# Altium PCB esquematico_microcontrolador.PcbDoc
Units mm, origin at the board's own origin, x right, y up, seen from the top; angles counter-clockwise.
Board outline 152.4 x 101.6 mm, 2 copper layers (Top Layer, Bottom Layer); 30 components, 21 nets, 108 pads, 12 vias.
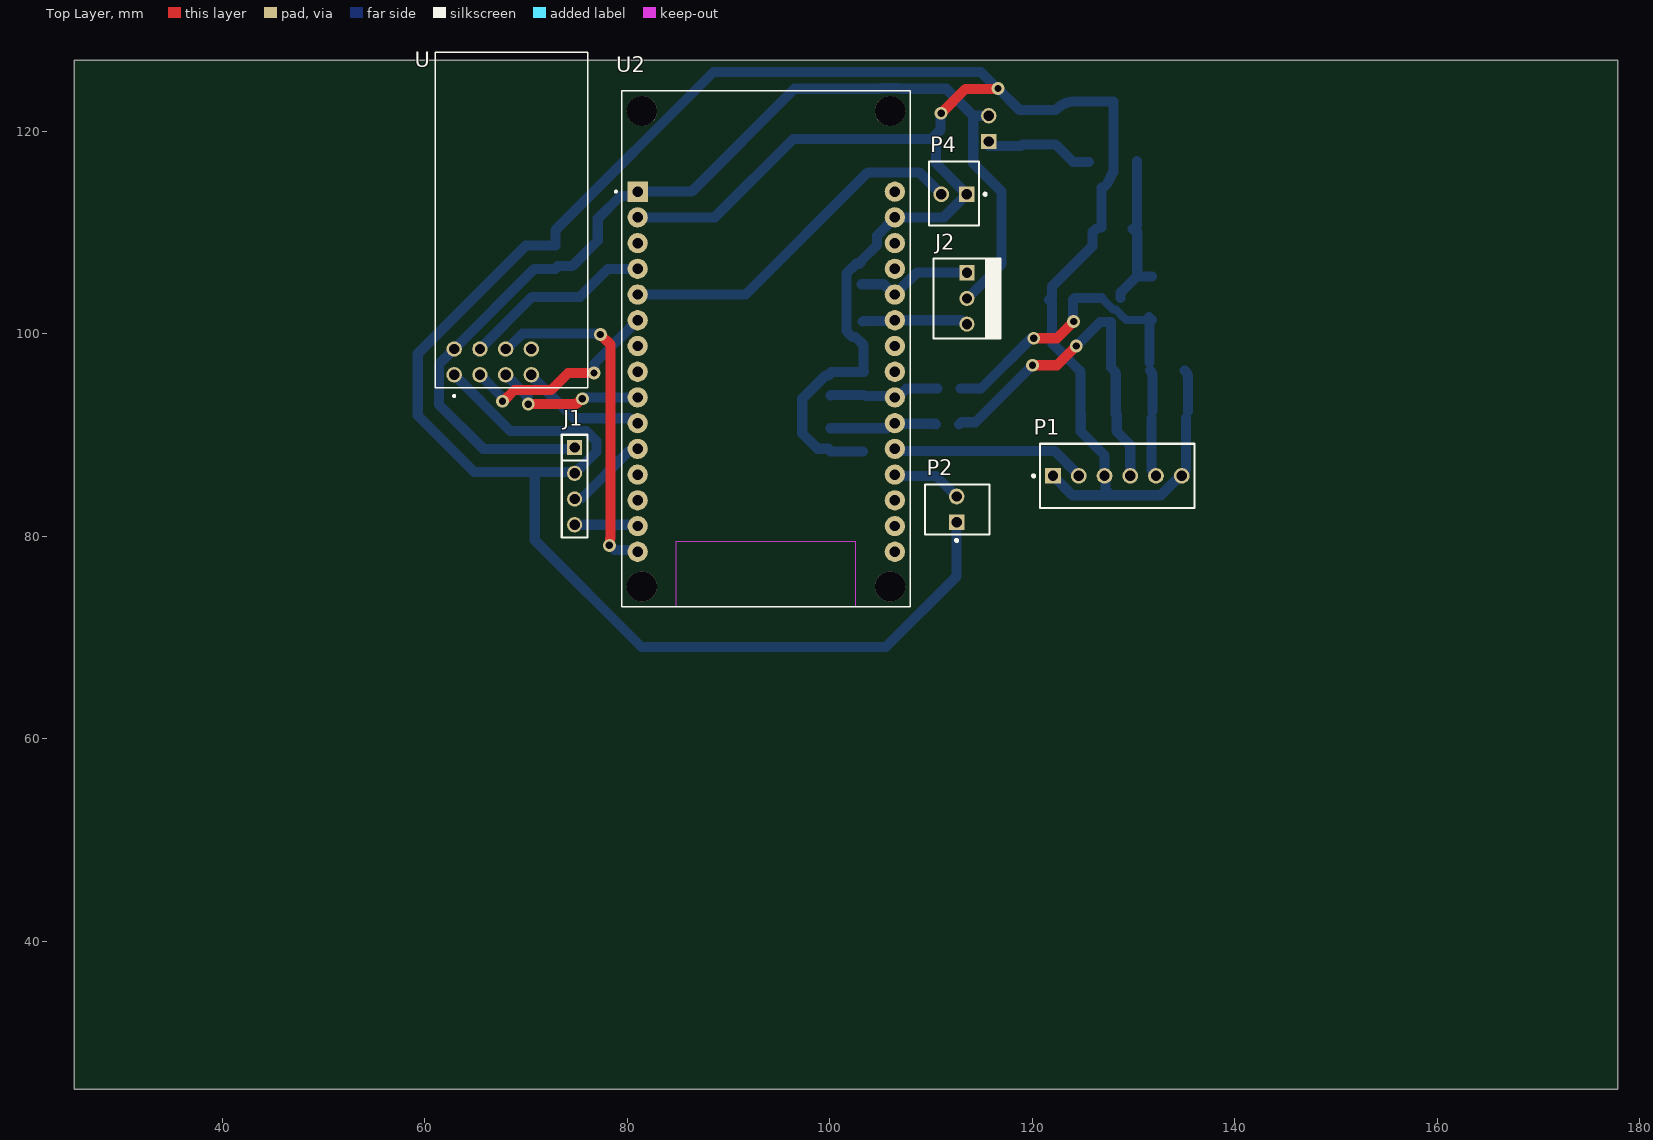
[diagram p0: Top Layer view]
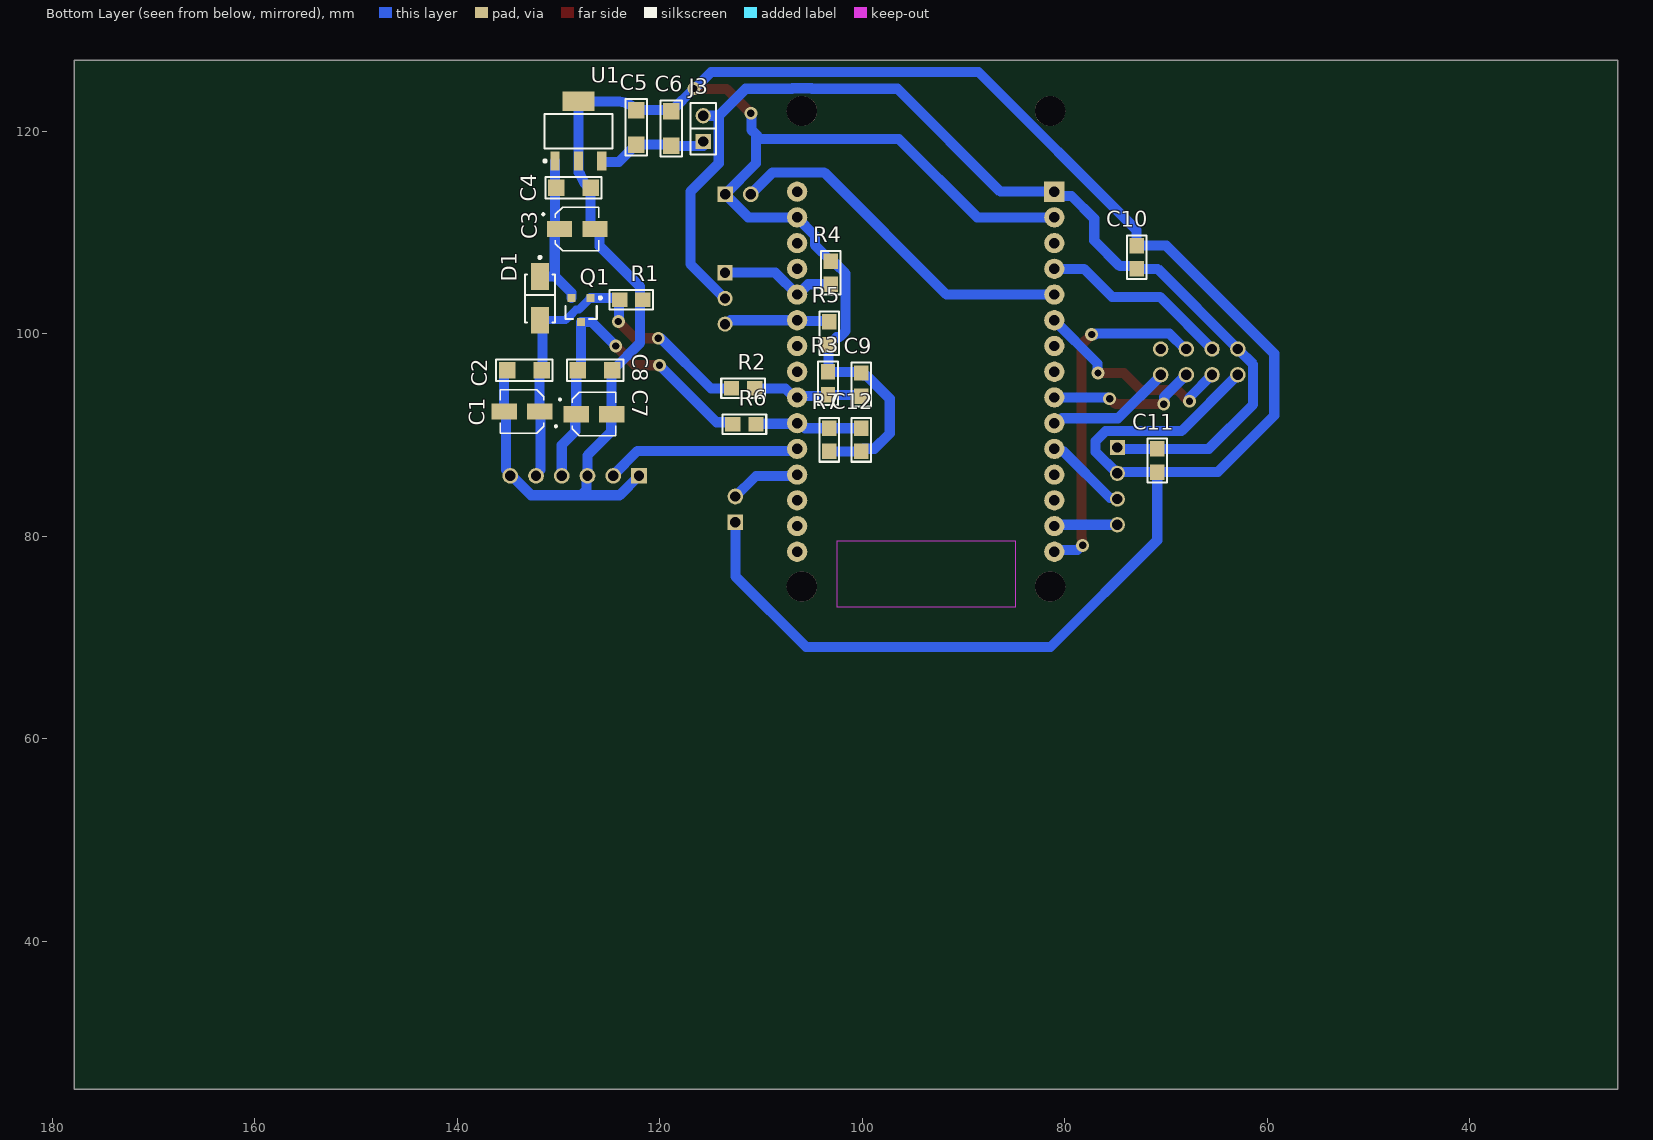
[diagram p1: Bottom Layer view, seen from below]
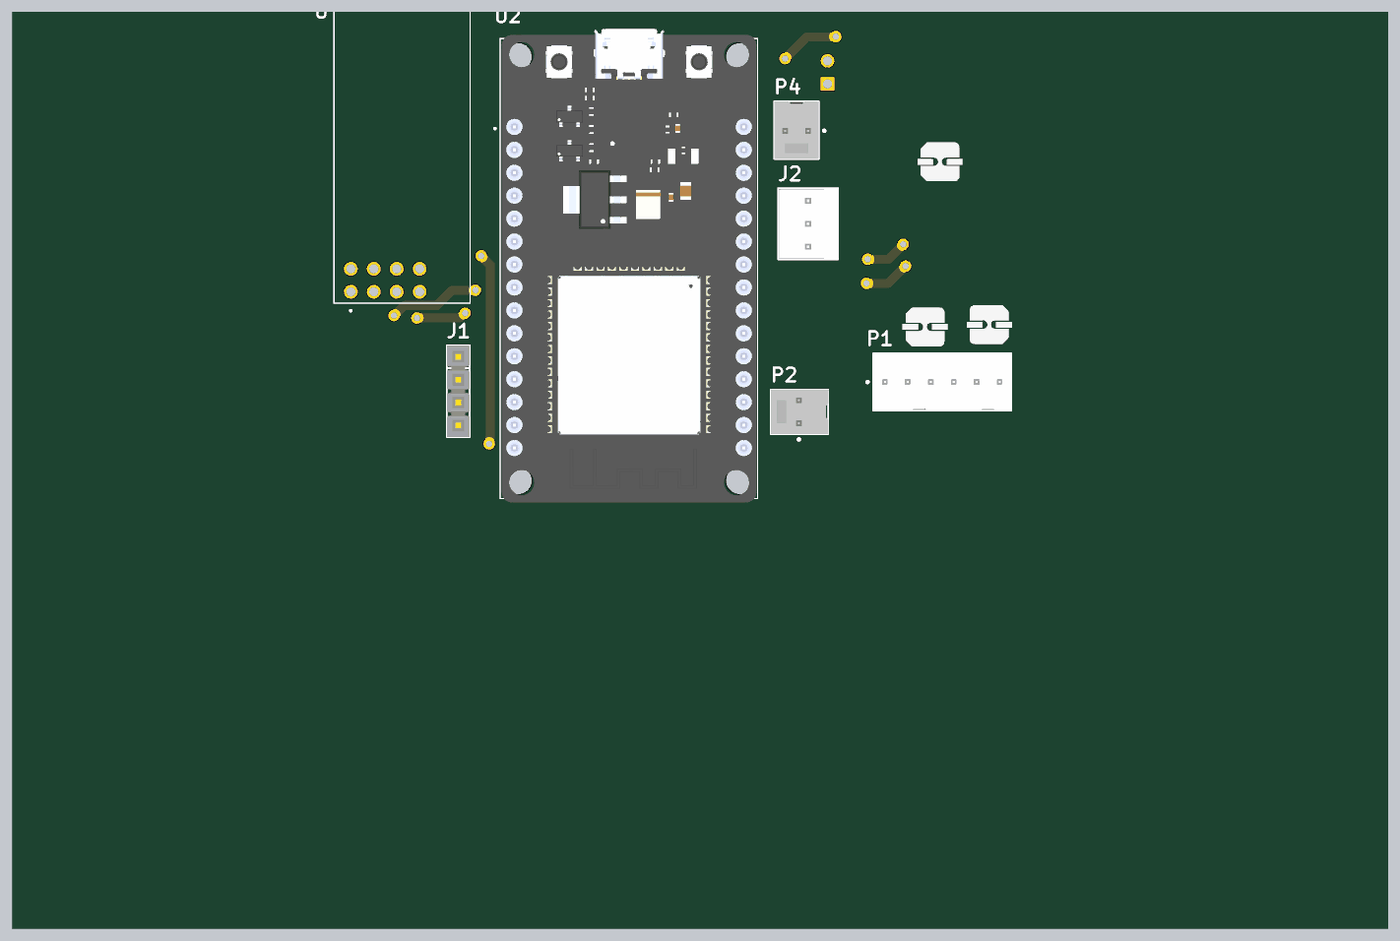
[diagram p2: 3D render of the assembled board from above, using the file's embedded part models]
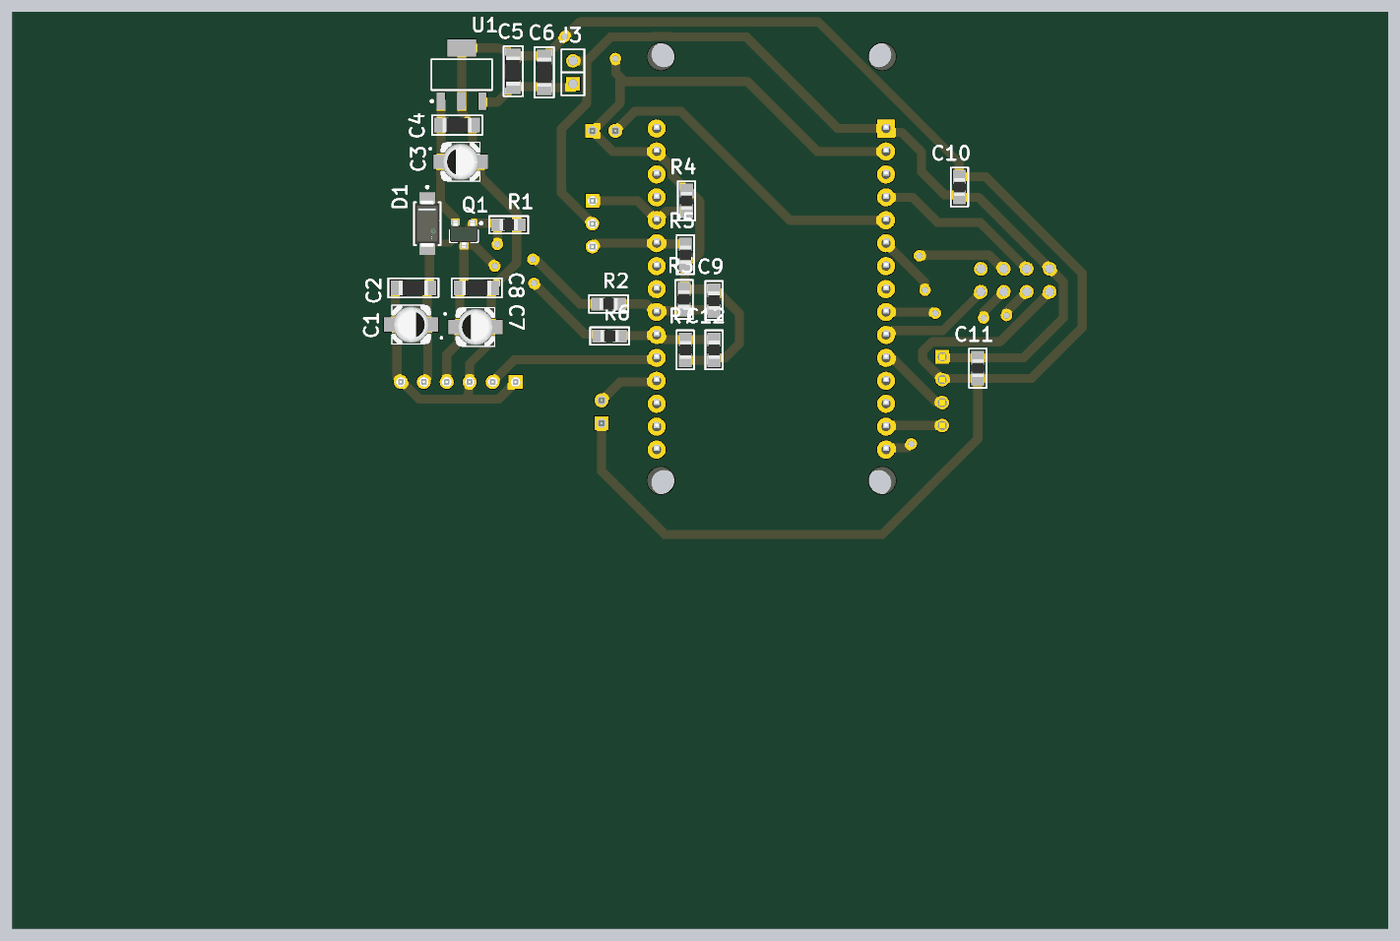
[diagram p3: 3D render of the assembled board from below, using the file's embedded part models]

## Layer stack, top to bottom
Top Solder: solder mask 0.0102, Solder Resist, Dk 3.5
Top Layer: signal copper 0.0356
Dielectric 1: dielectric 0.32, FR-4, Dk 4.8
Bottom Layer: signal copper 0.0356
Bottom Solder: solder mask 0.0102, Solder Resist, Dk 3.5

## Board outline
25.4,25.4 177.8,25.4 177.8,127 25.4,127

## Design rules (kind name [scope] priority, off if disabled: settings)
Clearance [All] p1: gap=0.254 ignorepadtopadclearanceinfootprint=FALSE
PolygonConnect [All] p1: connectstyle=Relief reliefconductorwidth=0.254 reliefentries=4 polygonreliefangle="90 Angle" airgapwidth=0.254
RoutingVias [All] p1: holewidth=0.711 width=1.27 viastyle="Through Hole" minholewidth=0.711 minwidth=1.27 maxholewidth=0.711 maxwidth=1.27
SolderMaskExpansion [All] p1: expansion=0.102 istentingtop=FALSE
SupplyNets "Schematic Supply Nets_5" [InNet('Vout')] p1: voltage=0.000
SupplyNets "Schematic Supply Nets_4" [InNet('Vin')] p2: voltage=0.000
SupplyNets "Schematic Supply Nets_3" [InNet('Vbat')] p3: voltage=0.000
SupplyNets "Schematic Supply Nets_2" [InNet('+5')] p4: voltage=0.000
SupplyNets "Schematic Supply Nets_1" [InNet('3V3')] p5: voltage=0.000
SupplyNets "Schematic Supply Nets" [InNet('GND')] p6: voltage=0.000
Width [All] p1: maxlimit=2 minlimit=0.8 preferedwidth=1 minimp=50.000000 maximp=50.000000 favimp=50.000000
30 further rules are at their usual default settings.

## Components (designator, comment, footprint, x,y, rotation, side; value= is the part's Value field where it differs from the comment)
C1 "100uF" CAP_EEEFN1V100R 133.604,92.329 r0 bottom
C2 "100n" 1206 133.35,96.393 r0 bottom
C3 "10uF" CAP_EEEFN1V100R 128.143,110.363 r180 bottom
C4 "100n" 1206 128.524,114.427 r180 bottom
C5 "10uF" 1206 122.301,120.396 r90 bottom
C6 "100n" 1206 118.872,120.269 r90 bottom
C7 "100uF" CAP_EEEFN1V100R 126.492,92.075 r180 bottom
C8 "100n" 1206 126.365,96.393 r180 bottom
C9 "100n" 0805 100.076,94.996 r90 bottom
C10 "100n" 0805 72.898,107.569 r90 bottom
C11 "100n" 0805 70.866,87.503 r270 bottom
C12 "100n" 0805 100.076,89.535 r270 bottom
D1 "SS14" FP-403AE-MFG 131.826,103.505 r90 bottom
J1 "CON4" SIP4 74.803,84.963 r270 top
J2 "switch modo" MOLEX3 113.538,106.045 r270 top
J3 "CON2" SIP2 115.697,120.269 r90 bottom
P1 "Conexión Controlador" MOLX-22-23-2061_V 128.397,85.979 r0 top
P2 "control solenoide" MOLX-22-23-2021_V 112.522,82.677 r90 top
P4 "control retardo" MOLX-22-23-2021_V 112.268,113.792 r180 top
Q1 "AO3401A" AO-SOT-23-3L_V 127.762,102.362 r270 bottom
R1 "RES" 0805 122.809,103.378 r0 bottom
R2 "RES" 0805 111.76,94.615 r0 bottom
R3 "RES" 0805 103.378,95.123 r270 bottom
R4 "RES" 0805 103.124,106.045 r90 bottom
R5 "RES" 0805 103.251,100.076 r90 bottom
R6 "RES" 0805 111.633,91.059 r0 bottom
R7 "RES" 0805 103.251,89.535 r90 bottom
U "NRF24L01P-MODULE-PCB" XCVR_NRF24L01P-MODULE-PCB 68.58,111.252 r90 top
U1 "MCP1826S-3302E/DB" SOT-223-DB3_L 128.016,120.015 r90 bottom
U2 "ESP32-DEVKIT-V1" MODULE_ESP32_DEVKIT_V1 93.726,98.531 r0 top

## Footprints (in the part's own frame and the unit in brackets; to place one, negate y for a bottom-side part, rotate by r counter-clockwise, add the part's x,y. Pads: shape width x height; smd on the part's side, far side on the other; paste and mask are expansions set on the pad)
0805 [mil] "Pasivo 0805"
  rect 60x56 smd: 1(-45,0) 2(45,0)
  silkscreen extent -85,-38 85,38, body extent -40,-25 39,25, height 15
1206 [mil] "Pasivo 1206"
  rect 64x64 smd: 1(-67,0) 2(67,0)
  silkscreen extent -109,-42 110,42, body extent -62,-32 63,31, height 20
AO-SOT-23-3L_V [mm] "SOT23, 3-Leads, Body 3.1x1.8mm, Pitch 0.95mm"
  rect 0.8x0.8 smd: 1(-1.2,0.95) 2(-1.2,-0.95) 3(1.2,0)
  silkscreen extent -1.32,-1.55 0.9,2.02, body extent -1.5,-1.55 1.5,1.55, height 1.25
CAP_EEEFN1V100R [mm]
  rect 2.5x1.6 smd: 1(-1.75,0) 2(1.75,0)
  silkscreen extent -3.45,-2.15 2.15,2.15, body extent -2.5,-2.15 2.5,2.15, height 5.3
FP-403AE-MFG [mm]
  rect 2.65x1.75 smd paste+0 mask+0: 1(-2.15,0) 2(2.15,0)
  silkscreen extent -2.37,-1.48 4.17,1.48, body extent -2.6,-1.36 2.6,1.36, height 2.5
MODULE_ESP32_DEVKIT_V1 [mm]
  rect 2x2 / inner round 2 / far side rect 2x2 hole 1.02: 1(-12.7,15.515)
  round 2 hole 1.02: 2(-12.7,12.975) 3(-12.7,10.435) 4(-12.7,7.895) 5(-12.7,5.355) 6(-12.7,2.815) 7(-12.7,0.275) 8(-12.7,-2.265) 9(-12.7,-4.805) 10(-12.7,-7.345) 11(-12.7,-9.885) 12(-12.7,-12.425) 13(-12.7,-14.965) 14(-12.7,-17.505) 15(-12.7,-20.045) 16(12.7,-20.045) 17(12.7,-17.505) 18(12.7,-14.965) 19(12.7,-12.425) 20(12.7,-9.885) 21(12.7,-7.345) 22(12.7,-4.805) 23(12.7,-2.265) 24(12.7,0.275) 25(12.7,2.815) 26(12.7,5.355) 27(12.7,7.895) 28(12.7,10.435) 29(12.7,12.975) 30(12.7,15.515)
  round 3 hole 3 unplated: ""(-12.28,-23.475) ""(-12.28,23.475) ""(12.23,-23.475) ""(12.23,23.475)
  Keep-Out Layer region: 8.78,-25.475 -8.91,-25.475 -8.91,-18.985 8.78,-18.985
  Keep-Out Layer region: 8.78,-25.475 -8.91,-25.475 -8.91,-18.985 8.78,-18.985
  silkscreen extent -14.95,-25.48 14.23,25.48, body extent -14.1,-25.9 14.1,26.55, height 7.05
MOLEX3 [mm]
  rect 1.5x1.5 hole 1.016: 1(0,0)
  round 1.5 hole 1.016: 2(2.54,0) 3(5.08,0)
  silkscreen extent -1.4,-3.3 6.48,3.3, body extent -1.27,-3.18 6.35,3.18, height 10.74
MOLX-22-23-2021_V [mm] "THD, 2-Leads, Body 6.35x4.93mm, Pitch 2.54mm"
  rect 1.55x1.55 hole 1.02: 1(-1.27,0)
  round 1.55 hole 1.02: 2(1.27,0)
  silkscreen extent -3.19,-3.25 2.46,3.1, body extent -2.46,-3.25 2.46,3.1, height 10.66
MOLX-22-23-2061_V [mm] "THD, 6-Leads, Body 15.24x6.35mm, Pitch 2.54mm"
  rect 1.55x1.55 hole 1.02: 1(-6.35,0)
  round 1.55 hole 1.02: 2(-3.81,0) 3(-1.27,0) 4(1.27,0) 5(3.81,0) 6(6.35,0)
  silkscreen extent -8.39,-3.17 7.62,3.17, body extent -7.54,-3.25 7.54,3.1, height 10.67
SIP2 [mm]
  rect 1.5x1.5 hole 1.016: 1(-1.27,0)
  round 1.5 hole 1.016: 2(1.27,0)
  silkscreen extent -2.54,-1.27 2.54,1.27
SIP4 [mm]
  rect 1.5x1.5 hole 1.016: 1(-3.81,0)
  round 1.5 hole 1.016: 2(-1.27,0) 3(1.27,0) 4(3.81,0)
  silkscreen extent -5.08,-1.27 5.08,1.27, body extent -5.08,-1.27 5.08,1.27, height 8.38
SOT-223-DB3_L [mm] "SOT223, 4-Leads, Body 6.5x3.5mm, Pitch 2.3mm, Lead Span 7mm, IPC High Density"
  rect 1.9x0.9 smd: 1(-2.95,2.3) 2(-2.95,0) 3(-2.95,-2.3)
  rect 1.9x3.2 smd: 4(2.95,0)
  silkscreen extent -3.07,-3.35 1.7,3.43, body extent -1.85,-3.35 1.85,3.35, height 1.8
XCVR_NRF24L01P-MODULE-PCB [mil]
  round 60 hole 40: 1(-601.75,223.18) 2(-501.75,223.18) 3(-601.75,123.18) 4(-501.75,123.18) 5(-601.75,23.18) 6(-501.75,23.18) 7(-601.75,-76.82) 8(-501.75,-76.82)
  silkscreen extent -688,-297 652,297

## Part data
C1 C3 C7: library part EEEFN1V100R, "10µF 35V Aluminum Electrolytic Capacitors Radial, Can - SMD 1.35Ohm @ 100kHz 2000 Hrs @ 105°C", Package="RADIAL-2 Panasonic", Check_prices=https://www.snapeda.com/parts/EEEFN1V100R/Panasonic/view-part/?ref=eda, Digi-Key_Part_Number=10-EEE-FN1V100RTR-ND, MF=Panasonic, MP=EEEFN1V100R, Purchase-URL=https://pricing.snapeda.com/search?q=EEEFN1V100R&ref=eda, SnapEDA_Link=https://www.snapeda.com/parts/EEEFN1V100R/Panasonic/view-part/?ref=snap
C2 C4 C8 C9 C10 C12: library part CAP
C5: library part CAP, "Capacitor 10uF a 22uF X5R 1206"
C6 C11: library part CAP, "Capacitor 100n NP0 1206 o 0805 (cambiar footprint 0805)"
D1: library part CMP-2000-04943-2, "DIODE SCHOTTKY 40V 1A SMA", Forward Current=1A, Manufacturer="ON Semiconductor", Max Junction Temp=+125°C, Max Repetitive Reverse Voltage=40V, Max Surge Forward Current=40A, Package=403AE, Peak Reverse Current=0.2mA, Temperature="-65°C to +125°C", Temperature Range Low=-65°C, Automotive=No, Category=Diode, ComponentLink2Description=Datasheet, ComponentLink2URL=https://www.onsemi.com/pub/Collateral/SS19-D.PDF, Device Class L1="Discrete Semiconductors", Device Class L2=Diodes, Device Class L3="Schottky Diodes", Digikey Description="DIODE SCHOTTKY 40V 1A SMA", Height=2.5mm, Lead Free=Yes, Manufacturer Part Number=SS14, Mouser Description="Schottky Diodes & Rectifiers SMA 40V 1.0A", Octopart=https://octopart.com/ss14-on+semiconductor-29205033, RoHS=TRUE, Standoff Height=0.05mm, Temperature Range High=+125°C
J2: library part MOLEX3
P1: library part CMP-2000-05536-1, "Male Header, Pitch 2.54 mm, 1 x 6 Position, Height 10.67 mm, Tail Length 3.56 mm, 0 to 70 degC, RoHS, Bulk", Current Rating=4A, Manufacturer=Molex, Package Description="Male Header, Pitch 2.54 mm, 1 x 6 Position, Height 10.67 mm, Tail Length 3.56 mm", Package Reference=22-23-2061, Voltage Rating=250V, Brand=Molex, Contact Material=Brass, Contact Plating=Tin, Datasheet URL=https://datasheet.ciiva.com/19460/232303-19460895.pdf, Datasheet Version="Rev. P, 09/2001", Factory Pack Quantity=1000, Housing Material=Nylon, Manufacturer URL=http://www.molex.com/, Mounting Angle=Vertical, Mounting Style=ThroughHole, Mounting Technology=ThroughHole, Number of Positions=6, Number of Positions / Contacts=6, Number of Rows=1, Packaging=Bulk, Pitch=2.54mm, Product Category=.100K.K.Connectors, Product Type=Headers, RoHS=Details, Series=6373, Termination Style=ThroughHole, Tradename=KK, Type=PinStrip
P2 P4: library part CMP-1704-00001-3, "Male Header, Pitch 2.54 mm, 1 x 2 Position, Height 10.67 mm, Tail Length 3.56 mm, 0 to 75 degC, RoHS, Bulk", Max Operating Temperature="75 degC", Min Operating Temperature="0 degC", Package Quantity=3000, PartNumber=22-23-2021, ComponentLink1Description="Manufacturer URL", ComponentLink1URL=http://www.molex.com/, ComponentLink2Description=Datasheet, ComponentLink2URL=https://datasheet.ciiva.com/19454/232266-19454304.pdf, Height="10.67 mm", Length="5.08 mm", Mount="Through Hole", Mounting Technology="Through Hole", PackageDescription="Male Header, Pitch 2.54 mm, 1 x 2 Position, Height 10.67 mm, Tail Length 3.56 mm", Packaging=Bulk, Pins=2, Radiation Hardening=No, REACH SVHC=Unknown, RoHSCompliant=True, Width="6.35 mm"
Q1: library part CMP-2000-05778-1, "P-Channel MOSFET, 30 V, 4 A, -55 to 150 degC, 3-Pin SOT-23-3L, RoHS, Tape and Reel", Continuous Drain Current=4A, Drain-Source On-Volt=30V, Frequency (Max)=NotRequiredMHz, Gate-Source Voltage (Max)=?12V, Manufacturer="Alpha and Omega", Operating Temp Range=-55Cto150C, Operating Temperature Classification=Military, Output Power (Max)=NotRequiredW, Package Description="3-Pin Small Outline Transistor, Body 2.95 x 1.6 mm, Pitch 0.95 mm", Package Reference=SOT-23-3L, Package Type=SOT-23, Power Dissipation=1.4W, Power Gain=NotRequireddB, Channel Mode=Enhancement, Datasheet URL=http://www.aosmd.com/res/data_sheets/AO3401A.pdf, Datasheet Version="Rev. 3, 03/2011", Drain Current (Max)=4A, Drain Efficiency=NotRequired%, Drain-Source On-Res=0.044ohm, Manufacturer URL=http://www.aosmd.com/, Mounting=SurfaceMount, Mounting Technology=SurfaceMount, Noise Figure=NotRequireddB, Number of  Elements=1, Package URL=http://www.aosmd.com/res/packaging_information/SOT-23-3L.pdf, Pin Count=3, Polarity=P, Rad Hardened=No, Type=PowerMOSFET
U: "- Transceiver For Use With nRF24L01+", Package=None, Availability=Bad, MF="Nordic Semiconductor", Mouser-Purchase-URL=https://snapeda.com/shop?store=Mouser&id=230534, MP=NRF24L01P-MODULE-PCB, Price=None, SnapEDA_Link=https://www.snapeda.com/parts/NRF24L01P-MODULE-PCB/Nordic%20Semiconductor%20ASA/view-part/230534/?ref=snap
U1: library part CMP-0136-00504-1, "1000 mA, Low Voltage, Low Quiescent Current LDO Regulator, 3-Pin SOT-223, Extended Temperature", DatasheetVersion="revA, Aug-2007", PackageDescription="3-Lead Plastic Small Outline Transistor (DB) [SOT-223]", PackageReference=SOT-223-DB3, PackageVersion="revBB, Aug-2009"
U2: "Dual core, Wi-Fi: 2.4 GHz up to 150 Mbits/s,BLE (Bluetooth Low Energy) and legacy Bluetooth, 32 bits, Up to 240 MHz", Package=None, Check_prices=https://www.snapeda.com/parts/ESP32-DEVKIT-V1/Do+it/view-part/?ref=eda, MF="Do it", MP=ESP32-DEVKIT-V1, SnapEDA_Link=https://www.snapeda.com/parts/ESP32-DEVKIT-V1/Do+it/view-part/?ref=snap

## Via types
v1: diameter 1.27, hole 0.711, Top Layer to Bottom Layer, 12 vias

## Nets (pads, with @x,y where several pads share a name; then routed paths per layer and width w, separated by ;. In a path a pad name is that pad's centre, name@x,y a point inside that pad or via, vN(x,y) a via of type N, cw(c..) or ccw(c..) an arc to the next point about the centre after c; other vN are vias at no path point)
3V3: C10.1 C11.1 J1.1 J2.2 J3.2 U2.1 U.2 | length 107.9
  Bottom Layer w1: J1.1 74.676,88.646 C11.1 65.786,88.646 61.395,93.037 61.395,96.991 U.2 70.83,106.426 C10.1 72.898,106.477 73.109,106.688 74.557,106.688 77.089,109.22 77.089,111.379 79.33,113.62 80.6,113.62 U2.1 86.36,114.046 96.52,124.206 104.968,124.206 105.022,124.26 106.89,124.26 106.944,124.206 111.504,124.206 114.171,121.539 ; J2.2 113.564,103.505 116.967,106.908 116.967,114.046 114.171,116.842 114.171,121.539 ; J3.2 114.171,121.539
+5: C1.1 C2.1 D1.1 P1.5 Q1.1 R1.2 R2.2 | length 39.5
  Top Layer w1: v1(120.142,99.568) 122.428,99.568 v1(124.079,101.219)
  Bottom Layer w0.8: Q1.1 127.966,102.408 128.241,102.408 128.816,101.833 128.816,101.824 129.285,101.355 D1.1
  Bottom Layer w1: R2.2 114.94,94.615 119.841,99.516 120.09,99.516 v1(120.142,99.568) ; v1(124.079,101.219) 124.027,101.271 124.027,103.375 124.214,103.562 Q1.1 Q1.1@126.846,103.562 ; D1.1@131.508,101.673 D1.1 ; 131.572,97.206 D1.1@131.572,101.346 ; C2.1 cw(c131.151,95.896) 131.854,95.896 C1.1 ; C1.1@131.775,91.694 131.775,86.56 132.207,86.128 P1.5
CE: U2.6 U.3 | length 20.7
  Top Layer w1: v1(67.691,93.345) 67.764,93.345 68.871,94.452 72.481,94.452 74.168,96.139 v1(76.708,96.139)
  Bottom Layer w1: U.3 67.691,93.728 v1(67.691,93.345) ; v1(76.708,96.139) 76.76,96.191 76.76,97.08 U2.6
Control_Rele: P2.2 U2.19 | length 7.2
  Bottom Layer w1: U2.19 106.559,85.973 110.496,85.973 P2.2@112.653,83.816
CSN: U2.4 U.4 | length 19.1
  Bottom Layer w1: U.4@65.28,98.336 70.6,103.656 75.335,103.656 78.105,106.426 U2.4
EN_lanzador: P1.2 U2.20 | length 20.2
  Bottom Layer w1: U2.20 106.617,88.455 U2.20@107.322,88.455 ; U2.20@106.429,88.455 U2.20@107.322,88.455 ; P1.2 124.587,86.055 122.188,88.455 U2.20@107.322,88.455
EN_lanzador2: P4.2 U2.5 | length 35.9
  Bottom Layer w1: U2.5 91.694,103.886 103.759,115.951 108.839,115.951 P4.2
GND: C1.2 C2.2 C3.2 C4.2 C5.2 C6.2 C7.2 C8.2 C9.2 C10.2 C11.2 C12.2 J1.2 P1.1 P1.3 P1.6 P2.1 P4.1 R1.1 R3.1 R4.2 R5.1 R7.1 U1.2 U1.4 U2.2 U2.29 U.1 | length 349
  Top Layer w1: v1(110.998,121.793) 113.385,124.18 116.56,124.18 v1(116.611,124.231)
  Bottom Layer w1: U.1 68.459,90.42 75.95,90.42 76.962,89.408 76.962,88.366 74.829,86.233 J1.2 ; J1.2@74.135,86.36 C11.2 ; U2.2 88.646,111.506 96.393,119.253 110.036,119.253 110.49,119.707 ; R4.2 103.124,107.137 102.913,106.926 102.608,106.926 101.659,105.976 101.659,100.272 102.227,99.703 102.532,99.703 103.251,98.984 R5.1 103.314,98.87 103.314,96.329 R3.1@103.327,96.317 ; R4.2@103.124,107.239 104.672,108.787 104.672,109.724 106.426,111.478 U2.29 111.252,111.506 P4.1 110.49,116.84 110.49,119.707 ; R7.1 C12.2 100.076,88.443 99.865,88.654 98.798,88.654 97.282,90.17 97.282,93.599 99.56,95.877 99.865,95.877 100.138,96.151 100.138,96.252 103.263,96.252 R3.1@103.327,96.317 ; R3.1 R3.1@103.327,96.317 ; v1(110.998,121.793) 110.946,121.741 110.946,120.163 110.49,119.707 ; P2.1@112.522,81.608 P2.1 112.522,76.073 105.537,69.088 81.407,69.088 70.866,79.629 C11.2 ; P1.1 123.952,84.074 127.762,84.074 ; C3.2 126.228,110.363 125.928,110.063 125.928,108.656 121.928,104.656 121.928,103.589 R1.1@121.717,103.378 ; C3.2@126.822,110.536 C4.2 127.135,114.556 127.381,114.802 127.889,115.824 128.016,115.951 U1.2 U1.4 124.22,122.965 ccw(c124.22,120.425) 122.424,122.221 C5.2 118.745,122.098 v1(116.611,124.231) 116.538,124.231 114.913,125.857 88.519,125.857 72.933,110.271 72.933,108.747 C10.2 69.977,108.712 59.309,98.044 59.309,91.948 64.897,86.36 C11.2 ; C2.2 cw(c134.322,95.663) 135.354,95.663 C1.2 ; C1.2@135.179,91.694 135.179,86.56 134.747,86.128 P1.6 134.598,85.979 132.693,84.074 127.762,84.074 ; R1.1@121.717,103.378 R1.1 R1.1@121.717,103.378 ; R1.1@121.717,103.378 121.928,103.167 121.928,99.128 C8.2 cw(c124.473,96.203) 124.742,96.203 C7.2 124.777,92.04 124.777,90.361 127.127,88.011 P1.3 127.232,85.874 127.232,84.604 127.762,84.074
In_3V3: C9.1 R2.1 R3.2 U2.22 | length 10.6
  Bottom Layer w1: C9.1@100.076,93.904 100.138,93.966 103.313,93.966 R3.2@103.327,93.98 ; R3.2@103.632,93.853 U2.22@106.426,93.853 ; U2.22 106.697,93.726 107.586,94.615 R2.1
In_Vbat: C12.1 R6.1 R7.2 U2.21 | length 10.7
  Bottom Layer w1: C12.1 R7.2 105.647,90.678 106.155,91.186 U2.21 106.489,91.123 110.426,91.123 R6.1
IRQ: U.8
MISO: U2.10 U.7 | length 12.5
  Bottom Layer w1: U.7 70.531,95.878 74.736,91.674 80.268,91.674 80.755,91.186 U2.10
MOSI: U2.15 U.6 | length 34.4
  Top Layer w1: v1(77.343,99.949) 78.359,98.933 78.359,79.829 78.284,79.754 78.284,79.173 v1(78.232,79.121)
  Bottom Layer w1: U.6 68.133,98.507 69.649,100.024 76.887,100.024 76.962,99.949 v1(77.343,99.949) ; v1(78.232,79.121) 78.305,79.121 78.749,78.677 80.835,78.677 U2.15
SCK: U2.9 U.5 | length 14.9
  Top Layer w1: v1(70.231,93.063) 74.956,93.063 75.492,93.599 v1(75.565,93.599)
  Bottom Layer w1: U.5 70.179,93.779 70.179,93.114 v1(70.231,93.063) ; v1(75.565,93.599) 75.638,93.599 75.765,93.726 U2.9
SCL_BME280: J1.4 U2.14 | length 6.3
  Bottom Layer w1: J1.4 80.899,81.153 U2.14
SDA_BME280: J1.3 U2.11 | length 8.3
  Bottom Layer w1: J1.3 74.899,83.789 75.534,83.789 80.2,88.455 80.835,88.455 U2.11
SW_A: J2.1 R4.1 U2.26 | length 11.7
  Bottom Layer w1: R4.1 105.335,104.902 106.351,103.886 U2.26 108.585,106.045 J2.1
SW_M: J2.3 R5.2 U2.25 | length 10.5
  Bottom Layer w1: R5.2 103.314,101.282 106.362,101.282 U2.25 113.022,101.346 113.403,100.965 J2.3
Vbat: C7.1 C8.1 P1.4 Q1.3 R6.2 | length 35.1
  Top Layer w1: v1(120.015,96.901) 122.428,96.901 v1(124.333,98.806)
  Bottom Layer w1: R6.2 112.987,91.27 114.384,91.27 v1@120.013,96.899 ; v1(124.333,98.806) 126.689,101.162 Q1.3 127.762,96.698 C8.1 cw(c127.644,95.97) 128.242,95.97 C7.1 128.333,91.984 128.333,90.361 129.667,89.027 P1.4
Vin: C3.1 C4.1 D1.2 Q1.2 U1.1 | length 15.6
  Bottom Layer w1: Q1.2 128.712,104.074 130.103,105.465 ; C3.1 130.016,110.363 130.316,110.663 130.316,114.427 U1.1 ; C3.1@130.058,110.363 130.358,110.063 130.358,105.862 130.565,105.655 D1.2
Vout: C5.1 C6.1 J3.1 U1.3 | length 10.7
  Bottom Layer w1: J3.1@115.697,118.567 C6.1 cw(c119.179,118.261) 119.179,118.694 C5.1 124.028,116.967 U1.3@125.603,116.967
pads on no net: U2. U2.3 U2.7 U2.8 U2.12 U2.13 U2.16 U2.17 U2.18 U2.23 U2.24 U2.27 U2.28 U2.30